# Altium PCB Radxa_E25_V1.4_20220119.PcbDoc (part 4 of 5) (continued)
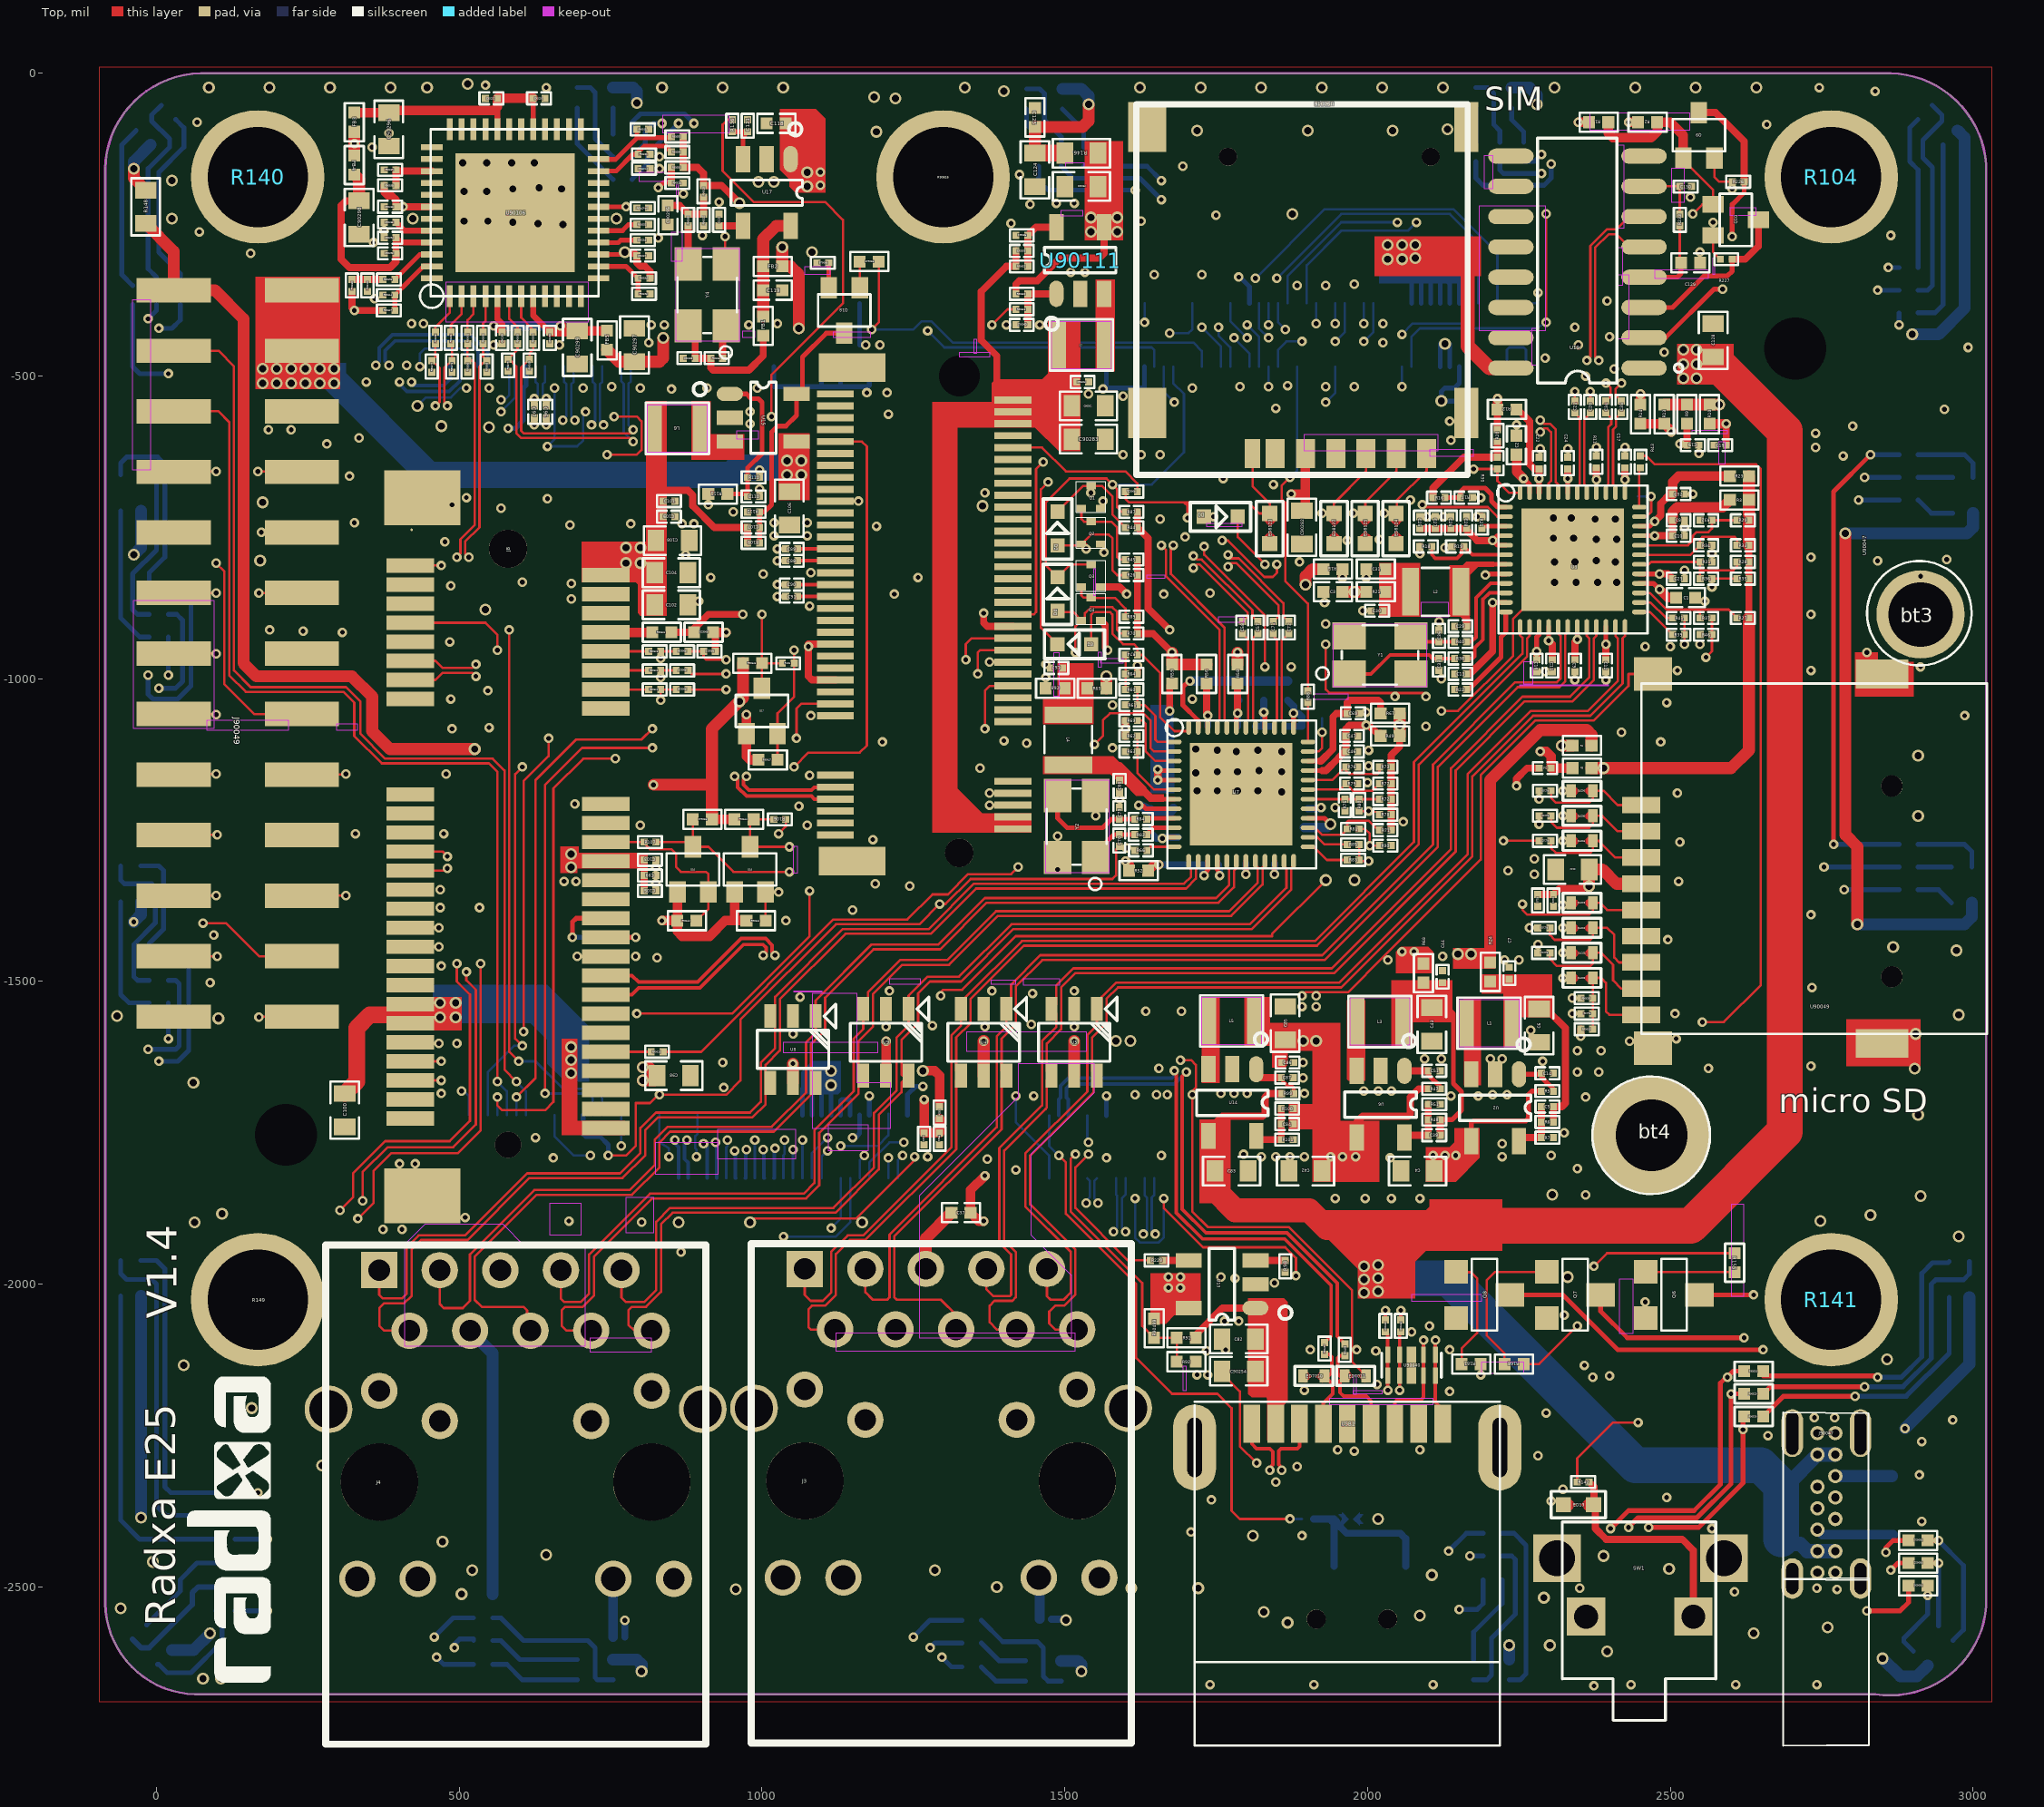
[diagram p0: Top view]
## Nets (pads, with @x,y where several pads share a name; then routed paths per layer and width w, separated by ;. In a path a pad name is that pad's centre, name@x,y a point inside that pad or via, vN(x,y) a via of type N, cw(c..) or ccw(c..) an arc to the next point about the centre after c; other vN are vias at no path point) (continued)
R_FT_PEU1_X16_CLKN: R90600.2 U90106.4 | length 60.7
  Top w3.94: R90600.2@539.37,-427.17 539.37,-413.39 543.31,-409.45 U90106.4@543.31,-368.11
R_FT_PEU1_X16_CLKP: R90601.2 U90106.3 | length 63.1
  Top w3.94: R90601.2@513.78,-427.17 513.78,-407.48 523.62,-397.64 U90106.3@523.62,-368.11
REFOUT_EN: R90560.2 R90595.1 R90610.1 | length 51.2
  Top w11.81: R90560.2@322.83,-340.55 R90610.1@348.43,-340.55 R90595.1@374.02,-340.55
REG_OUT: C66.1 L4.2 U7.7 | length 114.5
  Top w7.87: 1591.13,-1141.16 1631.89,-1181.92 1631.89,-1183.07 1647.64,-1198.82 U7.7@1681.1,-1198.82
REG_OUT_16741732: C29.1 L2.2 U3.7 | length 189.1
  Top w7.87: L2.2@2159.45,-858.27 2159.45,-848.43 2159.45,-828.74 2177.17,-811.02 U3.7@2228.35,-811.02
  Top w11.81: L2.2@2159.45,-848.43 2147.64,-848.43 2147.64,-883.86 2163.39,-899.61 C29.1@2163.39,-913.39
RGMII_GR-: J4.16 R81.2 R90.2 | length 3085.6
  Top w3.94: v1(332.68,-1891.73) 358.27,-1866.14 358.27,-1812.99 387.8,-1783.46 498.03,-1783.46 535.43,-1746.06 v1(535.43,-1470.47) ; R81.2@1986.22,-1248.03 1996.06,-1248.03 2003.94,-1255.91 v1(2003.94,-1275.59) R90.2@2019.68,-1275.59
  S1 w3.94: v1(332.68,-1891.73) 299.21,-1925.2 299.21,-2098.43 230.31,-2167.32 230.31,-2431.1 246.06,-2446.85 391.93,-2446.85 J4.16@431.69,-2486.61
  GND2 w3.94: v1(535.43,-1470.47) 661.42,-1470.47 679.13,-1488.19 1927.17,-1488.19 2015.75,-1399.61 2015.75,-1287.4 v1(2003.94,-1275.59)
RGMII_GR-_16741786: J3.16 R37.2 R46.2 | length 3025.9
  Top w3.94: v1(2559.06,-964.57) 2568.9,-954.72 R46.2@2568.9,-927.17 R37.2@2568.9,-899.61
  S1 w3.94: J3.16@1134.45,-2484.65 1134.45,-2507.87 1158.07,-2531.5 1736.22,-2531.5 1812.99,-2454.72 2032.17,-2454.72 2163.39,-2323.51 2163.39,-2208.66 2188.98,-2183.07 2344.35,-2183.07 2372.96,-2154.46 v1(2372.05,-2153.54) ; v1(2346.46,-1649.61) 2360.24,-1635.83 2525.59,-1635.83 2566.93,-1594.49 2566.93,-972.44 v1(2559.06,-964.57)
  GND2 w3.94: v1(2346.46,-1649.61) 2273.62,-1722.44 2273.62,-2070.87 2356.3,-2153.54 v1(2372.05,-2153.54)
RGMII_YE-: J4.18 R83.2 R85.2 | length 3584.7
  Top w3.94: v1(303.15,-1877.95) 324.8,-1856.3 324.8,-1816.93 377.95,-1763.78 484.25,-1763.78 517.72,-1730.31 517.72,-1521.65 496.06,-1500 v1(496.06,-1470.47) ; R85.2@1986.22,-1273.62 1986.22,-1301.18 v1(2001.97,-1301.18)
  S1 w3.94: v1(303.15,-1877.95) 283.46,-1897.64 283.46,-2090.55 212.6,-2161.42 212.6,-2448.82 297.24,-2533.46 832.68,-2533.46 854.53,-2511.61 J4.18@854.53,-2486.61
  GND2 w3.94: v1(496.06,-1470.47) 509.84,-1456.69 661.42,-1456.69 685.04,-1480.31 1923.23,-1480.31 2001.97,-1401.57 v1(2001.97,-1301.18)
RGMII_YE-_16741810: J3.18 R39.2 R41.2 | length 2517.3
  Top w3.94: v1(2523.62,-942.91) R39.2@2523.62,-927.17 R41.2@2523.62,-899.61
  S1 w3.94: J3.18@1557.28,-2484.65 1557.28,-2512.01 1568.9,-2523.62 1730.31,-2523.62 1807.09,-2446.85 2028.91,-2446.85 2151.57,-2324.19 2151.57,-2206.69 2185.04,-2173.23 2318.9,-2173.23 v1(2358.27,-2133.86) ; v1(2385.83,-1614.17) 2515.75,-1614.17 2537.4,-1592.52 2537.4,-956.69 v1(2523.62,-942.91)
  GND2 w3.94: v1(2358.27,-2133.86) 2281.5,-2057.09 2281.5,-1736.22 2364.17,-1653.54 2364.17,-1635.83 v1(2385.83,-1614.17)
RSET: R66.2 U7.12 | length 47.7
  Top w3.94: R66.2@1635.83,-1283.46 1641.73,-1277.56 U7.12@1681.1,-1277.56
RSET_16743468: R22.2 U3.12 | length 157.2
  Top w7.87: R22.2@2163.39,-1017.72 2167.32,-1017.72 2220.47,-964.57 2220.47,-931.1 2228.35,-923.23 U3.12@2228.35,-889.76
RXD340: Q10.3 R227.1 U19.3 | length 285.7
  Top w7.87: U19.3@2456.8,-386.7 2503.94,-386.7 2555.99,-334.65 2594.49,-334.65 2602.36,-326.77 R227.1@2602.36,-307.09
  Top w11.81: R227.1@2602.36,-307.09 2624.02,-307.09 2645.67,-285.43 Q10.3@2645.67,-242.13
SARADC_VIN0_KEY/RECOVERY: J1.26 R147.1 | length 2396.2
  Top w3.94: R147.1@2346.46,-2326.77 2346.46,-2287.4 2405.51,-2228.35 v1(2446.85,-2228.35)
  S1 w3.94: v1(716.54,-1787.4) 732.28,-1803.15 1133.52,-1803.15 1184.7,-1751.97 2236.22,-1751.97 2336.61,-1852.36 v1(2360.24,-1852.36)
  GND2 w3.94: v1(2360.24,-1852.36) 2360.24,-2088.58 2415.35,-2143.7 2415.35,-2196.85 v1(2446.85,-2228.35)
  Bottom w3.94: J1.26@657.48,-1720.87 657.48,-1755.91 688.98,-1787.4 v1(716.54,-1787.4)
SARADC_VIN3: C131.1 J1.92 R930.2 R931.1 | length 229.2
  Top w15.75: v1(1267.72,-1694.88) C131.1@1267.72,-1750 R931.1@1293.31,-1750 R930.2@1293.31,-1726.38
  S1 w15.75: v1(1177.17,-1688.98) 1183.07,-1694.88 v1(1267.72,-1694.88)
  Bottom w7.87: J1.92@1177.17,-1720.87 v1(1177.17,-1688.98)
SARADC_VIN5: J1.96 J90049.22 | length 1265.5
  Top w3.94: J90049.22@240.16,-1358.27 v1(312.99,-1358.27)
  GND2 w3.94: v1(312.99,-1358.27) 312.99,-1464.57 346.46,-1498.03 655.51,-1498.03 661.42,-1503.94 852.36,-1503.94 1019.68,-1671.26 1064.96,-1671.26 1129.92,-1736.22 v1(1129.92,-1771.65)
  Bottom w3.94: v1(1129.92,-1771.65) 1190.94,-1771.65 1208.66,-1753.94 J1.96@1208.66,-1720.87 J1.96@1208.66,-1718.5
SATA1RXN: C90.2 U90047.43 | length 62.2
  Top w5.91: C90.2@1059.06,-844.49 U90047.43@1121.26,-844.49
SATA1RXP: C91.2 U90047.41 | length 62.2
  Top w5.91: C91.2@1059.06,-864.17 U90047.41@1121.26,-864.17
SATA1TXN: C88.2 U90047.47 | length 62.2
  Top w5.91: C88.2@1059.06,-805.12 U90047.47@1121.26,-805.12
SATA1TXP: C89.2 U90047.49 | length 62.2
  Top w5.91: C89.2@1059.06,-785.43 U90047.49@1121.26,-785.43
SDMMC0_CLK: D4203.1 U1.57 U90049.5 | length 1392.5
  Top w3.94: v1(2255.91,-1372.05) 2255.91,-1381.89 2263.78,-1389.76 2366.14,-1389.76 2372.05,-1383.86 2372.05,-1377.58 2372.05,-1376.08 D4203.1@2372.05,-1370.08 2383.86,-1370.08 2395.67,-1381.89 U90049.5@2452.14,-1381.89
  GND2 w3.94: v1(1915.35,-413.39) 1915.35,-462.6 1960.63,-507.87 1960.63,-573.39 2054.56,-667.32 2103.77,-667.32 2159.45,-723 2159.45,-1112.2 2246.06,-1198.82 2246.06,-1362.2 v1(2255.91,-1372.05)
  Bottom w3.94: v1(1915.35,-413.39) U1.57@1915.35,-379.92
SDMMC0_CMD: R4202.1 U1.62 | length 999
  Top w3.94: v1(2224.41,-1267.72) R4202.1@2283.46,-1267.72
  GND2 w3.94: v1(1931.1,-543.31) 1931.1,-566.14 2048.04,-683.07 2097.25,-683.07 2143.7,-729.52 2143.7,-1122.05 2224.41,-1202.76 v1(2224.41,-1267.72)
  Bottom w3.94: v1(1931.1,-543.31) 1946.85,-527.56 U1.62@1946.85,-484.65
SDMMC0_D0: R4203.1 U1.63 | length 1269.5
  Top w3.94: v1(2267.72,-1411.42) R4203.1@2281.5,-1411.42
  GND2 w3.94: v1(1946.85,-442.91) 1992.13,-488.19 1992.13,-582.62 2061.08,-651.57 2110.29,-651.57 2145.73,-687.01 2194.88,-687.01 2220.47,-712.6 2220.47,-1127.95 2261.81,-1169.29 2261.81,-1240.16 2289.37,-1267.72 2289.37,-1405.51 2283.46,-1411.42 v1(2267.72,-1411.42)
  Bottom w3.94: v1(1946.85,-442.91) 1962.6,-427.17 U1.63@1962.6,-379.92
SDMMC0_D1: R4204.1 U1.67 | length 1267
  Top w3.94: R4204.1@2281.5,-1452.76 v1(2281.5,-1438.98)
  GND2 w3.94: v1(1994.09,-413.39) 2007.87,-427.17 2007.87,-456.69 2015.75,-464.57 2015.75,-572.83 2070.87,-627.95 2171.26,-627.95 2244.09,-700.79 2244.09,-1114.17 2301.18,-1171.26 2301.18,-1419.29 v1(2281.5,-1438.98)
  Bottom w3.94: v1(1994.09,-413.39) U1.67@1994.09,-379.92
SDMMC0_D2: R4200.1 U1.69 | length 1017.5
  Top w3.94: v1(2283.46,-1198.82) R4200.1@2283.46,-1185.04
  GND2 w3.94: v1(1994.09,-442.91) 1994.09,-458.66 2007.87,-472.44 2007.87,-576.1 2067.6,-635.83 2116.82,-635.83 2152.25,-671.26 2202.76,-671.26 2236.22,-704.72 2236.22,-1118.11 2283.46,-1165.35 v1(2283.46,-1198.82)
  Bottom w3.94: v1(1994.09,-442.91) 2009.84,-427.17 U1.69@2009.84,-379.92
SDMMC0_D3: R4201.1 U1.61 | length 1071.5
  Top w3.94: v1(2283.46,-1240.16) R4201.1@2283.46,-1226.38
  GND2 w3.94: v1(1946.85,-413.39) 1964.57,-431.1 1964.57,-444.88 2000,-480.31 2000,-579.36 2064.34,-643.7 2113.56,-643.7 2148.99,-679.13 2198.82,-679.13 2228.35,-708.66 2228.35,-1122.05 2269.68,-1163.39 2269.68,-1226.38 v1(2283.46,-1240.16)
  Bottom w3.94: v1(1946.85,-413.39) U1.61@1946.85,-379.92
SDMMC0_DET_L: Q17.3 R105.1 R90639.1 R90646.2 U1.76 | length 2715
  Top w3.94: Q17.3@1000,-1015.75 R90646.2@1000,-974.41 ; v1(1000,-893.7) R90646.2@1000,-974.41 ; R105.1@1033.46,-974.41 R90646.2@1000,-974.41 ; v1(2338.58,-1527.56) R90639.1@2352.36,-1527.56
  S1 w3.94: v1(1368.11,-692.91) 1435.04,-692.91 1561.02,-566.93 2007.87,-566.93 v1(2057.09,-517.72)
  GND2 w3.94: v1(1000,-893.7) 984.25,-877.95 984.25,-751.97 1007.87,-728.35 1102.36,-728.35 1137.8,-692.91 v1(1368.11,-692.91) ; v1(2057.09,-517.72) 2057.09,-602.36 2074.8,-620.08 2175.2,-620.08 2251.97,-696.85 2251.97,-1110.24 2309.06,-1167.32 2309.06,-1513.78 2322.83,-1527.56 v1(2338.58,-1527.56)
  Bottom w3.94: v1(2057.09,-517.72) U1.76@2057.09,-484.65
SIM1_CLK: R90617.1 U90047.32 | length 576.1
  Top w3.94: R90617.1@877.95,-986.22 883.86,-992.13 v1(940.94,-992.13) ; v1(1356.3,-992.13) 1356.3,-956.69 1360.24,-952.76 U90047.32@1414.57,-952.76
  GND2 w3.94: v1(940.94,-992.13) v1(1356.3,-992.13)
SIM1_DATA: R90517.1 R90618.1 U90047.34 | length 577.8
  Top w3.94: R90618.1@877.95,-954.72 R90517.1@903.54,-954.72 903.54,-964.57 907.48,-968.5 v1(940.94,-968.5) ; v1(1336.61,-968.5) 1336.61,-942.91 1346.46,-933.07 U90047.34@1414.57,-933.07
  GND2 w3.94: v1(940.94,-968.5) v1(1336.61,-968.5)
SIM1_DET: R90621.1 U90047.66 | length 243.8
  Top w3.94: U90047.66@1414.57,-618.11 1462.6,-618.11 1501.97,-657.48 1600.39,-657.48 1620.08,-677.17 R90621.1@1620.08,-690.94
SIM1_PWR: R90517.2 R90620.1 U90047.36 | length 559.6
  Top w11.81: R90620.1@919.29,-923.23 923.23,-927.17 R90517.2@923.23,-954.72 ; v1(1366.14,-891.73) 1366.14,-907.48 1372.05,-913.39 U90047.36@1414.57,-913.39
  Top w15.75: R90620.1@919.29,-923.23 v1(940.94,-923.23)
  GND2 w15.75: v1(940.94,-923.23) 1334.65,-923.23 v1(1366.14,-891.73)
SIM1_RESET: R90619.1 U90047.30 | length 571.2
  Top w3.94: R90619.1@877.95,-1017.72 v1(940.94,-1017.72) ; v1(1375.98,-972.44) U90047.30@1414.57,-972.44
  GND2 w3.94: v1(940.94,-1017.72) 1357.74,-1017.72 1375.98,-999.48 v1(1375.98,-972.44)
SIM2-CLK: J8.12 R90622.1 | length 70.9
  Top w3.94: J8.12@742.13,-986.22 R90622.1@812.99,-986.22
SIM2-DATA: J8.10 R90623.1 | length 70.9
  Top w3.94: J8.10@742.13,-954.72 R90623.1@812.99,-954.72
SIM2-DET: J8.44 R90626.1 | length 74.8
  Top w3.94: J8.44@742.13,-1616.14 R90626.1@816.93,-1616.14
SIM2-PWR: J8.8 R90625.1 | length 76.8
  Top w15.75: J8.8@742.13,-923.23 R90625.1@818.9,-923.23
SIM2-RESET: J8.14 R90624.1 | length 70.9
  Top w3.94: J8.14@742.13,-1017.72 R90624.1@812.99,-1017.72
SIM-CLK: ED8124.1 R90617.2 R90622.2 U90048.3 | length 1863.8
  Top w3.94: v1(832.68,-998.03) R90622.2@832.68,-986.22 R90617.2@858.27,-986.22 ; v1(2027.56,-726.38) 2046.65,-726.38 ED8124.1@2047.24,-726.97 2048.43,-725.79 2048.43,-705.51 2097.64,-656.3 U90048.3@2097.64,-627.95
  GND2 w3.94: v1(832.68,-998.03) 844.49,-998.03 854.33,-988.19 854.33,-635.83 874.02,-616.14 1862.2,-616.14 1895.67,-649.61 1895.67,-744.09 1909.45,-757.87 1996.06,-757.87 v1(2027.56,-726.38)
SIM-DATA: ED8125.1 R90618.2 R90623.2 U90048.7 | length 1796.3
  Top w3.94: v1(832.68,-966.54) R90623.2@832.68,-955.35 ; R90623.2@832.68,-954.72 R90623.2@832.68,-955.35 ; R90618.2@858.27,-954.72 833.3,-954.72 R90623.2@832.68,-955.35 ; v1(1976.38,-726.38) 1995.47,-726.38 ED8125.1@1996.06,-726.97 1996.46,-726.97 1996.46,-708.27 2047.64,-657.09 U90048.7@2047.64,-627.95
  GND2 w3.94: v1(832.68,-966.54) 832.68,-624.02 856.3,-600.39 1874.69,-600.39 1911.42,-637.12 1911.42,-734.25 1919.29,-742.13 1960.63,-742.13 v1(1976.38,-726.38)
SIM-DET: ED8123.1 R90621.2 R90626.2 U90048.4 | length 1830.2
  Top w3.94: R90626.2@836.61,-1616.14 899.61,-1616.14 1118.11,-1397.64 1240.16,-1397.64 1281.5,-1356.3 1307.09,-1356.3 1340.55,-1322.83 1411.42,-1322.83 v1(1423.23,-1311.02) ; R90621.2@1600.39,-690.94 1600.39,-702.76 1606.3,-708.66 1696.85,-708.66 ; v1(1702.76,-734.25) 1702.76,-718.5 1702.76,-714.57 ; U90048.4@1810.24,-627.95 1810.24,-682.28 1838.58,-710.63 ED8123.1@1838.58,-726.97 1821.46,-726.97 1803.15,-708.66 1708.66,-708.66 ; 1696.85,-708.66 1702.76,-714.57 ; 1696.85,-708.66 1702.76,-708.66 ; 1702.76,-714.57 1702.76,-708.66 ; 1702.76,-714.57 1708.66,-708.66 ; 1702.76,-708.66 1708.66,-708.66
  GND2 w3.94: v1(1423.23,-1311.02) 1423.23,-994.09 1657.48,-759.84 1677.17,-759.84 v1(1702.76,-734.25)
SIM-PWR: C90282.2 R90620.2 R90625.2 U90048.1 | length 1373.2
  Top w11.81: R90625.2@850.39,-923.23 R90620.2@887.8,-923.23 887.8,-917.32 911.42,-893.7 v1(968.5,-893.7)
  Top w15.75: v1(1874.02,-694.88) 1897.64,-694.88 ; C90282.2@1891.73,-722.44 1891.73,-720.47 1897.64,-714.57 1897.64,-694.88 ; U90048.1@1897.64,-627.95 1897.64,-694.88
  GND2 w15.75: v1(968.5,-893.7) 968.5,-748.03 1001.97,-714.57 1094.49,-714.57 1135.83,-673.23 1429.13,-673.23 1484.25,-728.35 1616.14,-728.35 1641.73,-702.76 1866.14,-702.76 v1(1874.02,-694.88)
SIM-RESET: ED8122.1 R90619.2 R90624.2 U90048.2 | length 1838.6
  Top w3.94: v1(832.68,-1035.43) R90624.2@832.68,-1017.72 R90619.2@858.27,-1017.72 ; v1(1925.2,-726.38) 1944.29,-726.38 ED8122.1@1944.49,-726.57 ; ED8122.1@1944.88,-726.97 ED8122.1@1944.49,-726.57 ; U90048.2@1997.64,-627.95 1997.64,-657.48 1944.49,-710.63 ED8122.1@1944.49,-726.57
  GND2 w3.94: v1(832.68,-1035.43) 807.09,-1009.84 807.09,-980.31 816.93,-970.47 816.93,-622.05 846.46,-592.52 1877.95,-592.52 1925.2,-639.76 v1(1925.2,-726.38)
SPI0_CLK_M1: J90049.23 U1.38 | length 2945
  Top w3.94: J90049.23@28.35,-1458.27 100,-1458.27 v1(100.39,-1458.66)
  GND2 w3.94: v1(100.39,-1458.66) 49.21,-1407.48 49.21,-453.37 175.81,-326.77 1274.97,-326.77 1310.41,-362.2 1669.29,-362.2 v1(1726.38,-419.29)
  Bottom w3.94: v1(1726.38,-419.29) 1757.87,-450.79 U1.38@1757.87,-484.65
SPI0_CSO_M1: J90049.16 U1.39 | length 2547.1
  Top w3.94: v1(98.43,-809.06) 112.2,-822.83 112.2,-1009.06 161.42,-1058.27 J90049.16@240.16,-1058.27
  GND2 w3.94: v1(98.43,-809.06) 112.2,-795.28 112.2,-457.99 156.8,-413.39 350.45,-413.39 389.82,-374.02 1255.4,-374.02 1314.46,-433.07 1588.52,-433.07 1614.12,-458.66 1779.53,-458.66 v1(1801.18,-437.01)
  Bottom w3.94: U1.39@1773.62,-379.92 1773.62,-409.45 v1(1801.18,-437.01)
SPI0_MISO_M1: J90049.21 U1.40 | length 2849.6
  Top w3.94: J90049.21@28.35,-1358.27 v1(98.43,-1358.27)
  GND2 w3.94: v1(98.43,-1358.27) 72.83,-1332.68 72.83,-463.16 185.6,-350.39 1265.19,-350.39 1300.62,-385.83 1581.33,-385.83 1620.7,-425.2 1639.76,-425.2 1659.45,-405.51 1680.43,-405.51 1717.83,-442.91 1744.09,-442.91 1753.94,-433.07 v1(1753.94,-419.29)
  Bottom w3.94: v1(1753.94,-419.29) 1753.94,-433.07 1773.62,-452.76 U1.40@1773.62,-484.65
SPI0_MOSI_M1: J90049.19 U1.44 | length 2732.4
  Top w3.94: J90049.19@28.35,-1258.27 28.74,-1257.87 v1(100.39,-1257.87)
  GND2 w3.94: v1(100.39,-1257.87) 80.71,-1238.19 80.71,-466.42 188.86,-358.27 1261.93,-358.27 1297.36,-393.7 1578.06,-393.7 1617.43,-433.07 1647.64,-433.07 1665.35,-415.35 1679.13,-415.35 1714.57,-450.79 1765.75,-450.79 v1(1779.53,-437.01)
  Bottom w3.94: v1(1779.53,-437.01) 1805.12,-462.6 U1.44@1805.12,-484.65
SPI1_CLK_M1: J90049.10 U1.26 | length 1854.6
  Top w3.94: v1(173.23,-757.87) 239.76,-757.87 J90049.10@240.16,-758.27
  GND2 w3.94: v1(173.23,-757.87) 194.88,-736.22 194.88,-655.51 316.93,-533.46 437.01,-533.46 476.38,-494.09 1214.57,-494.09 1291.34,-570.87 1677.17,-570.87 1681.1,-566.93 v1(1681.1,-543.31)
  Bottom w3.94: U1.26@1663.39,-484.65 1663.39,-525.59 v1(1681.1,-543.31)
SPI1_CSO_M1: J90049.17 U1.45 | length 2592.5
  Top w3.94: J90049.17@28.35,-1158.27 29.13,-1157.48 v1(98.43,-1157.48)
  GND2 w3.94: v1(98.43,-1157.48) 143.7,-1112.2 143.7,-471.03 169.85,-444.88 525.59,-444.88 543.31,-462.6 1236.22,-462.6 1242.13,-456.69 1578.74,-456.69 1604.33,-482.28 1809.06,-482.28 1836.61,-454.72 v1(1836.61,-437.01)
  Bottom w3.94: U1.45@1820.87,-379.92 1820.87,-421.26 v1(1836.61,-437.01)
SPI1_MISO_M1: J90049.8 U1.49 | length 2127.3
  Top w3.94: v1(167.32,-657.48) 239.37,-657.48 J90049.8@240.16,-658.27
  GND2 w3.94: v1(167.32,-657.48) 159.45,-649.61 159.45,-477.56 176.37,-460.63 517.72,-460.63 535.43,-478.35 1222.44,-478.35 1299.21,-555.12 1364.17,-555.12 1421.26,-498.03 1818.9,-498.03 1864.17,-452.76 v1(1864.17,-423.23)
  Bottom w3.94: U1.49@1852.36,-379.92 1852.36,-411.42 v1(1864.17,-423.23)
SPI1_MOSI_M1: J90049.15 U1.47 | length 2513.7
  Top w3.94: J90049.15@28.35,-1058.27 97.64,-1058.27 v1(98.43,-1059.06)
  GND2 w3.94: v1(98.43,-1059.06) 135.83,-1021.65 135.83,-467.77 166.59,-437.01 360.24,-437.01 399.61,-397.64 1226.38,-397.64 1277.56,-448.82 1582,-448.82 1607.59,-474.41 1803.15,-474.41 1822.83,-454.72 1822.83,-429.13 v1(1836.61,-415.35)
  Bottom w3.94: v1(1836.61,-415.35) U1.47@1836.61,-379.92
SPI2_CLK_M1: R90649.1 U1.34 | length 714.4
  Top w3.94: v1(1181.1,-423.23) 1192.91,-411.42 R90649.1@1192.91,-311.02
  Bottom w3.94: v1(1181.1,-423.23) 1250,-423.23 1263.78,-409.45 1279.53,-409.45 1314.96,-444.88 1712.6,-444.88 1726.38,-458.66 U1.34@1726.38,-484.65
SPI2_CS0: D4.2 Q3.3 R87.2 U1.28 | length 673.3
  Top w3.94: Q3.3@1543.41,-811.42 1543.41,-811.02 1509.45,-811.02 D4.2@1488.19,-832.28 1468.5,-812.6 1468.5,-708.66 1507.87,-669.29 1568.9,-669.29 v1(1578.74,-679.13) 1586.61,-687.01 1586.61,-716.54 1594.49,-724.41 R87.2@1600.39,-724.41
  Bottom w3.94: v1(1578.74,-679.13) 1643.7,-679.13 1696.85,-625.98 1696.85,-529.53 1679.13,-511.81 U1.28@1679.13,-484.65
SPI2_MOSI_M1: R88.1 U1.54 | length 563.6
  Top w3.94: v1(1872.05,-667.32) 1858.27,-681.1 1858.27,-702.76 1864.17,-708.66 1864.17,-838.58 1901.57,-875.98 R88.1@1901.57,-1019.68
  Bottom w3.94: v1(1872.05,-667.32) 1883.86,-655.51 U1.54@1883.86,-484.65
SPICSB/LED0: R85.1 U7.26 | length 69.9
  Top w3.94: U7.26@1901.57,-1261.81 1917.32,-1261.81 1929.13,-1273.62 R85.1@1966.54,-1273.62
SPICSB/LED0_16743000: R41.1 U3.26 | length 65.7
  Top w3.94: U3.26@2448.82,-874.02 2467.37,-874.02 2492.96,-899.61 R41.1@2503.94,-899.61
TXD340: Q9.3 R226.1 U19.2 | length 516.3
  Top w7.87: U19.2@2456.8,-436.7 2492.13,-436.7 2572.53,-356.3 v1(2586.61,-356.3) ; v1(2602.36,-269.68) 2602.36,-216.54 2622.05,-196.85 R226.1@2622.05,-179.13
  Top w11.81: Q9.3@2547.24,-64.96 2574.8,-64.96 2622.05,-112.2 R226.1@2622.05,-179.13
  S1 w7.87: v1(2586.61,-356.3) 2602.36,-340.55 v1(2602.36,-269.68)
TYPEC1_TX1NJ: C90253.2 U90040.4 U90040.7 USB1.8 | length 510.8
  Top w5.91: v1(1858.27,-2307.09) 1858.27,-2303.15 1853.35,-2298.23 1853.35,-2275.59 1857.28,-2271.65 1883.86,-2271.65 1887.8,-2267.72 USB1.8@1887.8,-2230.31 ; v1(2053.15,-2175.2) U90040.7@2053.15,-2151.08 2053.15,-2080.71 C90253.2@2055.12,-2078.74
  S1 w5.91: v1(1858.27,-2307.09) 1858.27,-2303.15 1853.35,-2298.23 1853.35,-2255.98 1881.96,-2227.36 2032.55,-2227.36 2048.23,-2211.68 2048.23,-2180.12 v1(2053.15,-2175.2)
TYPEC1_TX1PJ: C90252.2 U90040.5 U90040.6 USB1.9 | length 508.8
  Top w5.91: USB1.9@1809.06,-2230.31 1809.06,-2263.78 1816.93,-2271.65 1838.58,-2271.65 1843.5,-2276.57 1843.5,-2298.23 1838.58,-2303.15 v1(1838.58,-2307.09) ; C90252.2@2029.53,-2078.74 2033.46,-2082.68 U90040.6@2033.46,-2151.08 v1(2033.46,-2175.2)
  S1 w5.91: v1(1838.58,-2307.09) 1838.58,-2303.15 1843.5,-2298.23 1843.5,-2251.9 1877.88,-2217.52 2028.47,-2217.52 2038.39,-2207.61 2038.39,-2180.12 v1(2033.46,-2175.2)
UART2_RX: Q9.2 R226.2 U1.51 | length 915
  Top w3.94: Q9.2@2572.83,-139.76 2572.83,-170.99 2580.98,-179.13 R226.2@2602.36,-179.13 v1(2602.36,-190.94)
  S1 w3.94: v1(2049.21,-246.06) 2076.77,-218.5 2289.37,-218.5 2316.93,-190.94 v1(2602.36,-190.94)
  Bottom w3.94: U1.51@1868.11,-379.92 1868.11,-334.65 1956.69,-246.06 v1(2049.21,-246.06)
UART2_TX: Q10.2 R227.2 U1.55 | length 829.5
  Top w3.94: v1(2570.87,-246.06) Q10.2@2570.87,-267.72 2570.87,-295.28 R227.2@2582.68,-307.09
  S1 w3.94: v1(2080.71,-246.06) v1(2570.87,-246.06)
  Bottom w3.94: U1.55@1899.61,-379.92 1899.61,-316.93 1956.69,-259.84 2066.93,-259.84 v1(2080.71,-246.06)
USB2_HOST2_DM: J1.65 U90047.9 | length 841.8
  Top w5.91: v1(974.41,-1161.42) 969.49,-1166.34 969.49,-1175.06 978.49,-1184.06 1081.69,-1184.06 1086.61,-1179.13 U90047.9@1121.26,-1179.13
  S1 w5.91: v1(974.41,-1777.56) 969.49,-1772.64 969.49,-1166.34 v1(974.41,-1161.42)
  Bottom w5.91: J1.65@972.44,-1824.8 972.93,-1824.8 972.93,-1779.04 v1(974.41,-1777.56)
USB2_HOST2_DP: J1.63 U90047.7 | length 859
  Top w5.91: v1(954.72,-1161.42) 959.65,-1166.34 959.65,-1179.13 974.41,-1193.9 1081.69,-1193.9 1086.61,-1198.82 U90047.7@1121.26,-1198.82
  S1 w5.91: v1(954.72,-1779.53) 959.65,-1774.61 959.65,-1166.34 v1(954.72,-1161.42)
  Bottom w5.91: v1(954.72,-1779.53) 954.72,-1785.43 956.2,-1785.43 956.2,-1824.8 J1.63@956.69,-1824.8
USB2_HOST3_DM: J1.71 J8.36 | length 705.4
  Top w5.91: J8.36@742.13,-1490.16 785.43,-1490.16 796.26,-1500.98 893.7,-1500.98 965.55,-1429.13 1005.91,-1429.13 1016.73,-1439.96 1016.73,-1451.77 v1(1021.65,-1456.69)
  S1 w5.91: v1(1021.65,-1775.59) 1016.73,-1770.67 1016.73,-1461.61 v1(1021.65,-1456.69)
  Bottom w5.91: J1.71@1019.68,-1824.8 1020.18,-1824.8 1020.18,-1777.07 v1(1021.65,-1775.59)
USB2_HOST3_DP: J1.69 J8.38 | length 689.1
  Top w5.91: J8.38@742.13,-1521.65 785.43,-1521.65 796.26,-1510.83 897.78,-1510.83 969.63,-1438.98 1001.83,-1438.98 1006.89,-1444.04 1006.89,-1451.77 v1(1001.97,-1456.69)
  S1 w5.91: v1(1001.97,-1777.56) 1006.89,-1772.64 1006.89,-1461.61 v1(1001.97,-1456.69)
  Bottom w5.91: v1(1001.97,-1777.56) 1003.44,-1779.04 1003.44,-1824.8 J1.69@1003.94,-1824.8
USB3_HOST1_SSRXN: C91.1 J1.59 | length 1072.1
  Top w5.91: v1(1025.59,-864.17) C91.1@1039.37,-864.17
  S1 w5.91: v1(923.23,-1765.75) 923.23,-1759.84 917.32,-1753.94 917.32,-894.76 952.83,-859.25 1020.67,-859.25 v1(1025.59,-864.17)
  Bottom w5.91: v1(923.23,-1765.75) 925.2,-1767.72 J1.59@925.2,-1824.8
USB3_HOST1_SSRXP: C90.1 J1.57 | length 1089.2
  Top w5.91: v1(1025.59,-844.49) C90.1@1039.37,-844.49
  S1 w5.91: v1(903.54,-1767.72) 903.54,-1761.81 907.48,-1757.87 907.48,-890.68 948.75,-849.41 1020.67,-849.41 v1(1025.59,-844.49)
  Bottom w5.91: v1(903.54,-1767.72) 909.45,-1773.62 J1.57@909.45,-1824.8
USB3_HOST1_SSTXN: C88.1 J1.53 | length 1172.8
  Top w5.91: v1(1025.59,-805.12) C88.1@1039.37,-805.12
  S1 w5.91: v1(875.98,-1761.81) 871.06,-1756.89 871.06,-848.43 919.29,-800.2 1020.67,-800.2 v1(1025.59,-805.12)
  Bottom w5.91: v1(875.98,-1761.81) 872.05,-1765.75 872.05,-1793.31 877.95,-1799.21 J1.53@877.95,-1824.8
USB3_HOST1_SSTXP: C89.1 J1.51 | length 1187.5
  Top w5.91: v1(1025.59,-785.43) C89.1@1039.37,-785.43
  S1 w5.91: v1(856.3,-1761.81) 861.22,-1756.89 861.22,-844.35 915.21,-790.35 1020.67,-790.35 v1(1025.59,-785.43)
  Bottom w5.91: v1(856.3,-1761.81) 856.3,-1767.72 862.2,-1773.62 J1.51@862.2,-1824.8
USB3_OTG0_SSRXN: J2.11 U90040.1 U90040.10 USB1.5 | length 3562.6
  Top w5.91: v1(2112.2,-2092.52) U90040.10@2112.2,-2151.08 2112.2,-2194.88 2124.02,-2206.69 USB1.5@2124.02,-2230.31
  S1 w5.91: v1(362.2,-482.28) 368.11,-488.19 368.11,-1683.07 565.95,-1880.91 1456.42,-1880.91 1710.36,-2134.84 2092.52,-2134.84 2107.28,-2120.08 2107.28,-2097.44 v1(2112.2,-2092.52)
  Bottom w5.91: v1(362.2,-482.28) 368.11,-476.38 368.11,-453.74 389.76,-432.09 518.84,-432.09 547.24,-460.49 J2.11@547.24,-484.25
USB3_OTG0_SSRXP: J2.9 U90040.2 U90040.9 USB1.6 | length 3531.5
  Top w5.91: USB1.6@2045.28,-2230.31 2045.28,-2194.88 2049.21,-2190.94 2088.58,-2190.94 2092.52,-2187.01 U90040.9@2092.52,-2151.08 U90040.2@2092.52,-2116.63 v1(2092.52,-2092.52)
  S1 w5.91: v1(383.86,-482.28) 377.95,-488.19 377.95,-1678.99 570.02,-1871.06 1460.5,-1871.06 1714.44,-2125 2086.61,-2125 2097.44,-2114.17 2097.44,-2097.44 v1(2092.52,-2092.52)
  Bottom w5.91: v1(383.86,-482.28) 377.95,-476.38 377.95,-457.82 393.84,-441.93 514.76,-441.93 531.5,-458.66 J2.9@531.5,-484.25
USB3_OTG0_SSTXN: C90253.1 J2.5 | length 3187.9
  Top w5.91: C90253.1@2055.12,-2059.06 2055.12,-2048.23 2053.15,-2046.26 2053.15,-2043.31 v1(2055.12,-2043.31)
  S1 w5.91: v1(401.57,-509.84) 405.51,-513.78 405.51,-523.62 395.67,-533.46 395.67,-1647.78 395.67,-1667.46 578.6,-1850.39 1469.49,-1850.39 1707.68,-2088.58 2030.51,-2088.58 2049.21,-2069.88 2049.21,-2049.21 v1(2055.12,-2043.31)
  Bottom w5.91: v1(401.57,-509.84) 399.82,-511.59 413.82,-525.59 483.22,-525.59 500.93,-507.87 500.93,-484.25 J2.5@500,-484.25
USB3_OTG0_SSTXP: C90252.1 J2.3 | length 3109.1
  Top w5.91: C90252.1@2029.53,-2059.06 v1(2029.53,-2043.31)
  S1 w5.91: v1(421.26,-509.84) 415.35,-515.75 415.35,-529.53 405.51,-539.37 405.51,-1663.39 582.68,-1840.55 1473.56,-1840.55 1711.75,-2078.74 2025.59,-2078.74 2039.37,-2064.96 2039.37,-2053.15 v1(2029.53,-2043.31)
  Bottom w5.91: v1(421.26,-509.84) 419.51,-511.59 423.66,-515.75 474.41,-515.75 485.19,-504.97 485.19,-484.25 J2.3@484.25,-484.25
USB3_OTG0_VBUSDET: J1.97 R91.2 R92.1 R90499.2 | length 781.8
  Top w3.94: v1(1517.72,-1785.43) 1509.84,-1793.31 1509.84,-1879.92 1627.95,-1998.03 1627.95,-2068.9 R90499.2@1647.64,-2088.58 R91.2@1685.04,-2088.58 R92.1@1685.04,-2127.95
  S1 w3.94: v1(1232.28,-1787.4) 1251.97,-1767.72 1500,-1767.72 v1(1517.72,-1785.43)
  Bottom w3.94: J1.97@1224.41,-1824.8 1224.41,-1795.28 v1(1232.28,-1787.4)
USB_OTG0_DM: R90497.2 U1.103 | length 893
  Top w5.91: v1(1681.1,-1647.64) 1684.06,-1650.59 1684.06,-1881.89 1727.36,-1925.2 1863.05,-1925.2 1939.96,-2002.11 1939.96,-2085.63 R90497.2@1929.13,-2096.46
  Bottom w5.91: U1.103@1490.16,-1721.26 1490.16,-1694.88 1493.11,-1691.93 1493.11,-1672.17 1505.84,-1659.45 1677.03,-1659.45 1681.1,-1655.37 v1(1681.1,-1647.64)
USB_OTG0_DP: R90498.2 U1.105 | length 896.5
  Top w5.91: v1(1700.79,-1649.61) 1693.9,-1656.5 1693.9,-1875.98 1733.27,-1915.35 1867.13,-1915.35 1949.8,-1998.03 1949.8,-2085.63 R90498.2@1962.6,-2098.43
  Bottom w5.91: U1.105@1505.91,-1721.26 1505.91,-1694.88 1502.95,-1691.93 1502.95,-1676.25 1509.91,-1669.29 1681.1,-1669.29 v1(1700.79,-1649.61)
USB_OTG0_ID: R94.1 U1.101 | length 943.2
  Top w3.94: v1(1490.16,-1787.4) 1501.97,-1799.21 1501.97,-1883.86 1618.11,-2000 1618.11,-2122.05 1677.17,-2181.1 1751.97,-2181.1 1775.59,-2204.72 1775.59,-2374.02 1789.37,-2387.8 v1(1872.05,-2387.8)
  Bottom w3.94: U1.101@1474.41,-1721.26 1474.41,-1771.65 v1(1490.16,-1787.4) ; v1(1872.05,-2387.8) R94.1@1891.73,-2387.8
VBUS_TYPEC: C82.1 C90254.1 R91.1 U13.1 USB1.1 | length 122
  Top w11.81: R91.1@1716.54,-2088.58 1716.54,-2083.21 1760.38,-2039.37 U13.1@1814.96,-2039.37